# Altium PCB BC2087.PcbDoc (part 1 of 6)
Units mil, origin at the board's own origin, x right, y up, seen from the top; angles counter-clockwise.
Board outline 7401.57 x 1181.1 mil, 6 copper layers (Top Copper, Signal Layer 1, Signal Layer 2, Signal Layer 3, Signal Layer 4, Bottom Copper), stack 62.874 mil thick; 302 components, 237 nets, 1184 pads, 867 vias.
Unrouted connection lines stored in the file: 315.
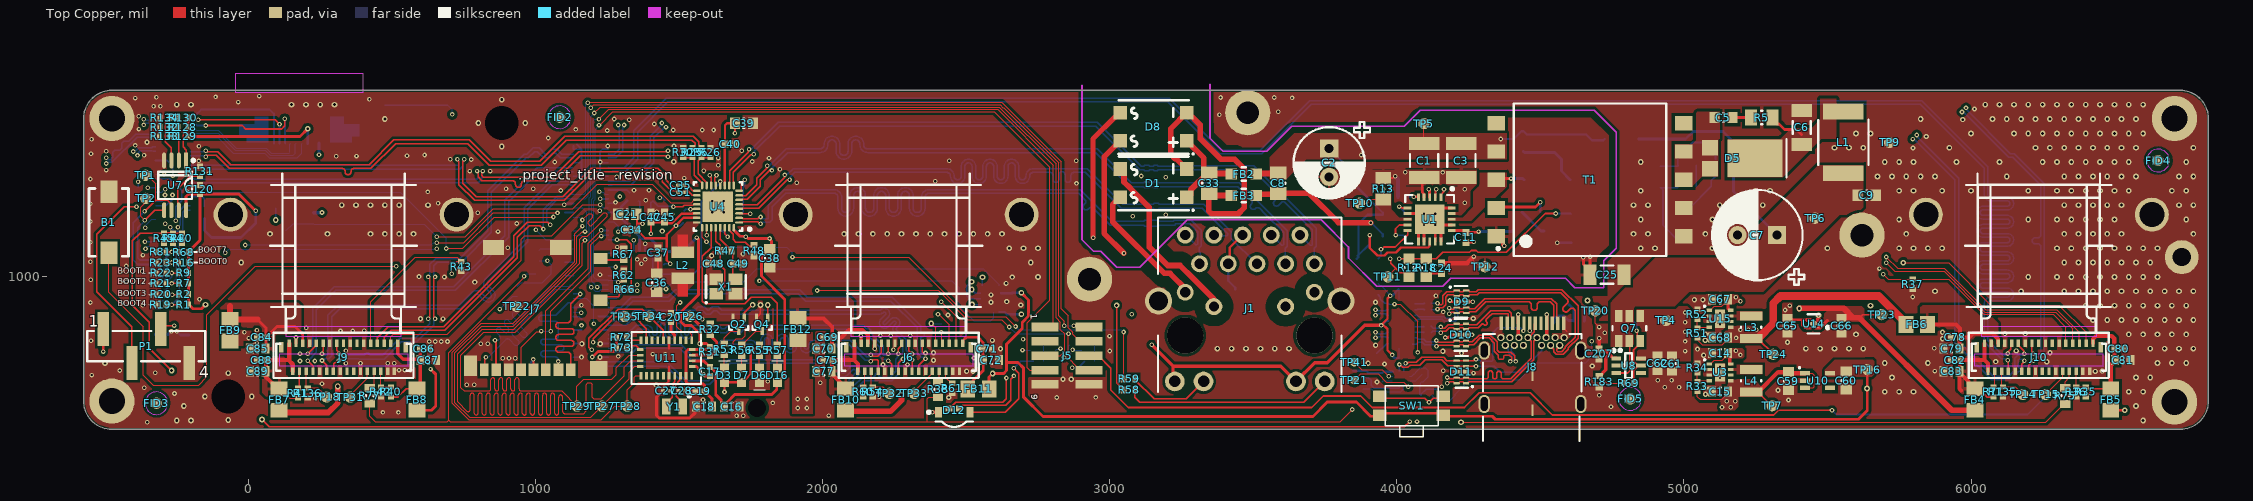
[diagram p0: Top Copper view]
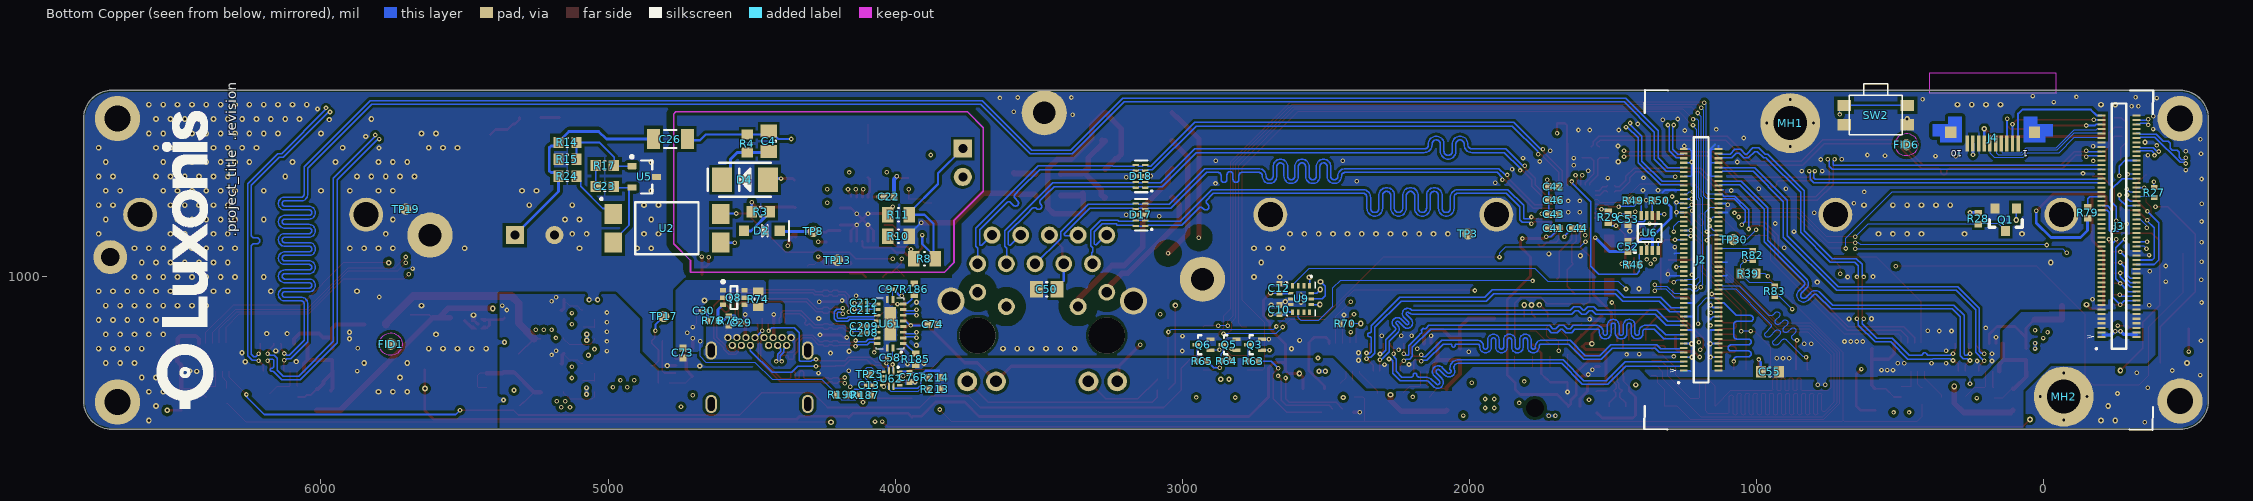
[diagram p1: Bottom Copper view, seen from below]
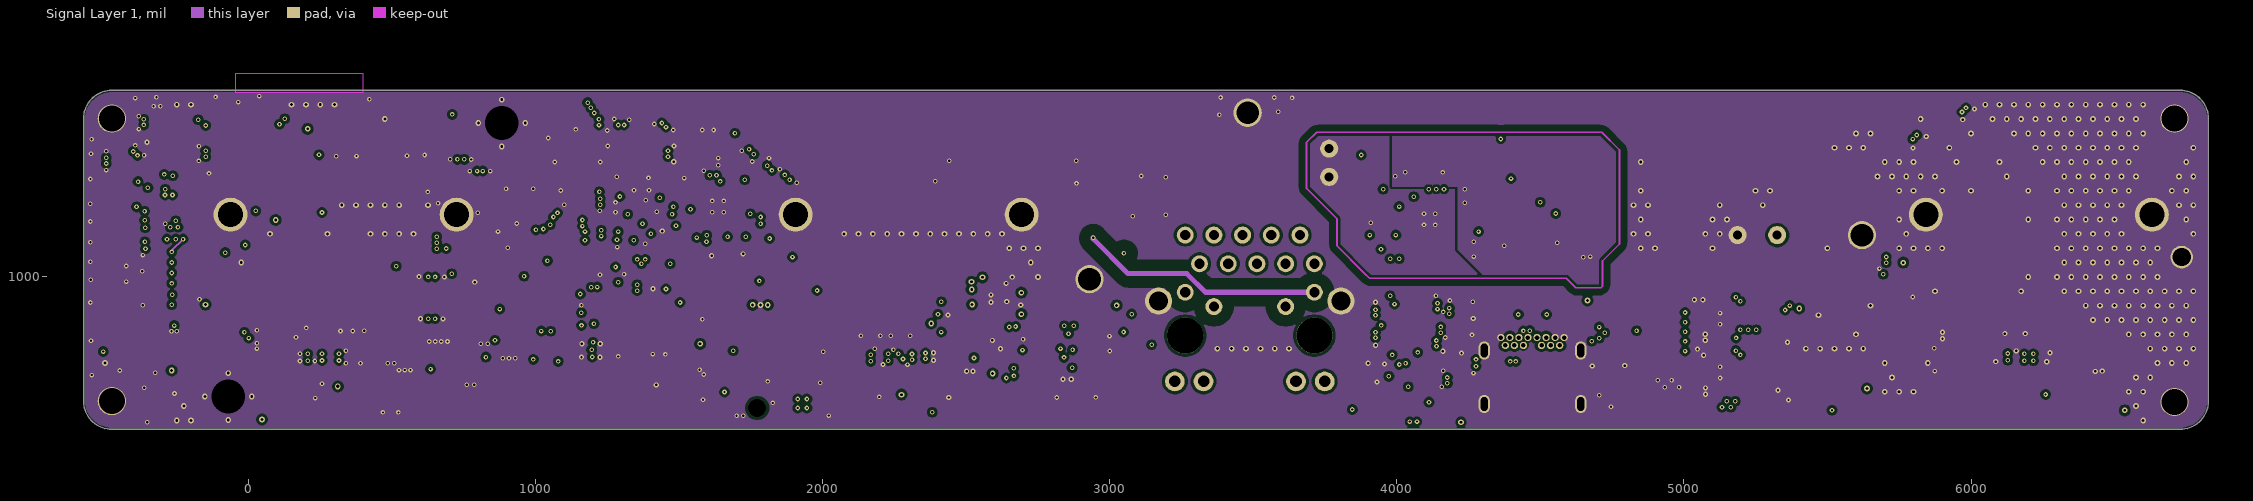
[diagram p2: Signal Layer 1]
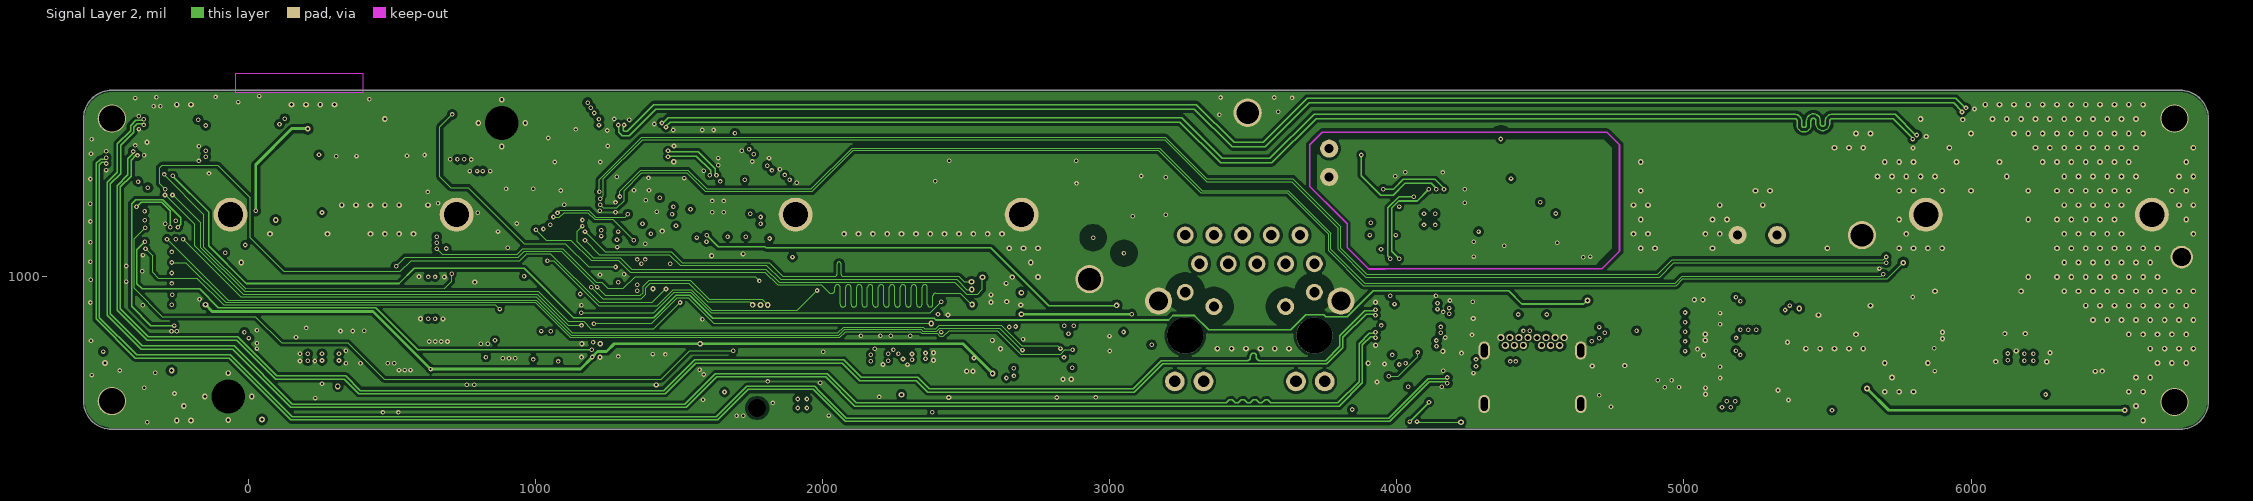
[diagram p3: Signal Layer 2]
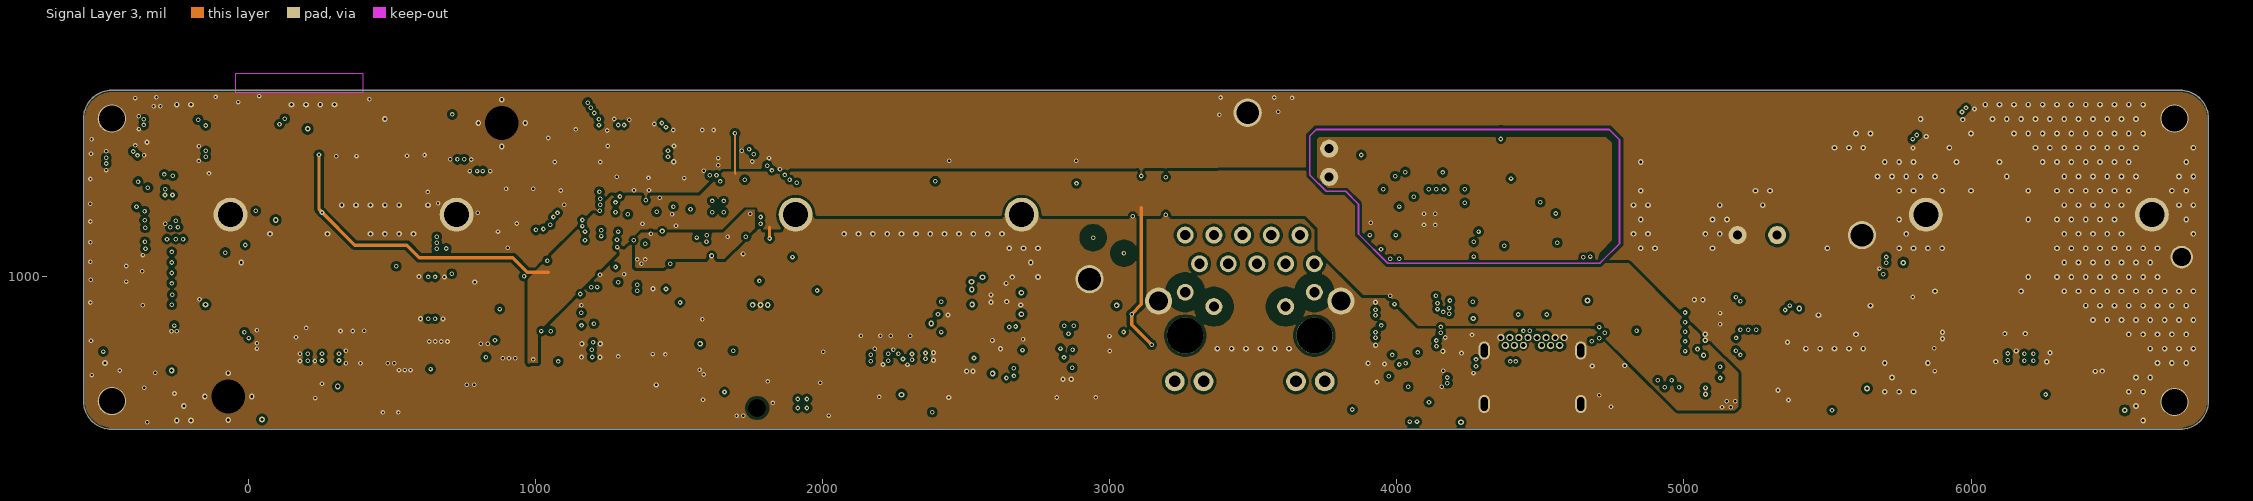
[diagram p4: Signal Layer 3]
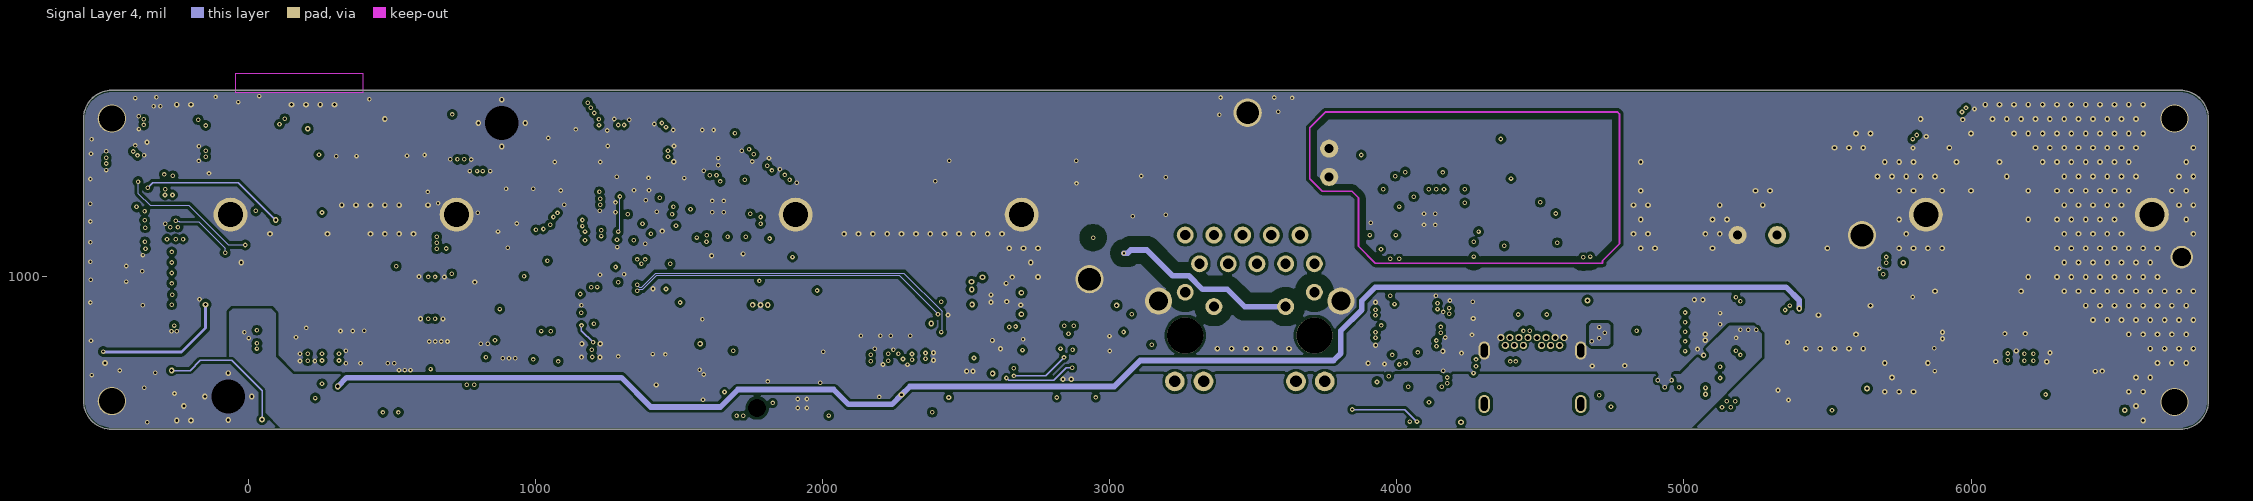
[diagram p5: Signal Layer 4]

## Layer stack, top to bottom
Top Mask: solder mask 0.5906, Solder Resist, Dk 3.8
Top Copper: signal copper 1.378
Dielectric 1: prepreg 3.937, 2313, Dk 4.05
Signal Layer 1: signal copper 0.689
Core 1: core 22.2441, FR-4, Dk 4.5
Signal Layer 2: signal copper 0.689
Dielectric 2: prepreg 5, 2116, Dk 4.25
Signal Layer 3: signal copper 0.689
Core 2: core 22.2441, FR-4, Dk 4.5
Signal Layer 4: signal copper 0.689
Dielectric 3: prepreg 3.937, 2313, Dk 4.05
Bottom Copper: signal copper 1.378
Bottom Mask: solder mask 0.5906, Solder Resist, Dk 3.8

## Board outline
-574.66,567.36 -574.66,1551.61 cw(c-476.23,1551.61) -476.23,1650.03 6728.49,1650.03 cw(c6728.49,1551.61) 6826.92,1551.61 6826.92,567.36 cw(c6728.49,567.36) 6728.49,468.93 -476.23,468.93 cw(c-476.23,567.36)

## Design rules (kind name [scope] priority, off if disabled: settings)
AssemblyTestPointUsage [All] p1: valid=2
BoardOutlineClearance [All] p1: gap=6 ignorepadtopadclearanceinfootprint=FALSE
Clearance PoE_GND [InNetClass('PoE') vs InNet('GND')] p1: gap=39.37 ignorepadtopadclearanceinfootprint=TRUE
Clearance PoE [InNetClass('PoE')] p2: gap=10 ignorepadtopadclearanceinfootprint=TRUE except(4: Track-SMDPad; 8: Arc-Track Track-Track)
Clearance general [All] p3: gap=4 ignorepadtopadclearanceinfootprint=FALSE except(10: Arc-Poly Track-Poly SMDPad-Poly THPad-Poly Via-Poly Fill-Poly Poly-Poly Poly-Region Poly-Text Poly-Hole)
ComponentClearance [All] p1: gap=0 collisioncheckmode=3 verticalgap=0 showdistances=FALSE
DiffPairsRouting 85ohm [InDifferentialPairClass('85ohm')] p1: maxlimit=10 minlimit=5 mostfreqgap=10 toplayer_mingap=5.12 toplayer_maxgap=5.12 toplayer_prefgap=5.12 toplayer_minwidth=5.12 toplayer_maxwidth=5.12 toplayer_prefwidth=5.12 midlayer2_mingap=5.89 midlayer2_maxgap=5.89 midlayer2_prefgap=5.89 midlayer2_minwidth=5.17 midlayer2_maxwidth=5.17 midlayer2_prefwidth=5.17 midlayer4_mingap=5.51 midlayer4_maxgap=5.51 midlayer4_prefgap=5.51 midlayer4_minwidth=4.33 midlayer4_maxwidth=4.33 midlayer4_prefwidth=4.33 bottomlayer_mingap=5.12 bottomlayer_maxgap=5.12 bottomlayer_prefgap=5.12 bottomlayer_minwidth=5.12 bottomlayer_maxwidth=5.12 bottomlayer_prefwidth=5.12 impedanceprofiledriven=TRUE impedanceprofileid={86B41CE9-344F-4982-9283-744235B62342} impedanceprofilevalue=90.000000 maxuncoupledlength=500
DiffPairsRouting 90ohm [InDifferentialPairClass('USB3')] p2: maxlimit=10 minlimit=5 mostfreqgap=10 toplayer_mingap=5.12 toplayer_maxgap=5.12 toplayer_prefgap=5.12 toplayer_minwidth=5.12 toplayer_maxwidth=5.12 toplayer_prefwidth=5.12 midlayer2_mingap=5.89 midlayer2_maxgap=5.89 midlayer2_prefgap=5.89 midlayer2_minwidth=5.17 midlayer2_maxwidth=5.17 midlayer2_prefwidth=5.17 midlayer4_mingap=5.51 midlayer4_maxgap=5.51 midlayer4_prefgap=5.51 midlayer4_minwidth=4.33 midlayer4_maxwidth=4.33 midlayer4_prefwidth=4.33 bottomlayer_mingap=5.12 bottomlayer_maxgap=5.12 bottomlayer_prefgap=5.12 bottomlayer_minwidth=5.12 bottomlayer_maxwidth=5.12 bottomlayer_prefwidth=5.12 impedanceprofiledriven=TRUE impedanceprofileid={86B41CE9-344F-4982-9283-744235B62342} impedanceprofilevalue=90.000000 maxuncoupledlength=500
DiffPairsRouting 100ohm [InDifferentialPairClass('100ohm')] p3: maxlimit=10.52 minlimit=5 mostfreqgap=10 toplayer_mingap=7.67 toplayer_maxgap=7.67 toplayer_prefgap=7.67 toplayer_minwidth=5.12 toplayer_maxwidth=5.12 toplayer_prefwidth=5.12 midlayer2_mingap=10.52 midlayer2_prefgap=10.52 midlayer2_minwidth=5.12 midlayer2_maxwidth=5.12 midlayer2_prefwidth=5.12 bottomlayer_mingap=7.67 bottomlayer_maxgap=7.67 bottomlayer_prefgap=7.67 bottomlayer_minwidth=5.12 bottomlayer_maxwidth=5.12 bottomlayer_prefwidth=5.12 impedanceprofiledriven=TRUE impedanceprofileid={980D49B1-4842-4C85-BE42-F6056FE0C244} impedanceprofilevalue=100.000000 maxuncoupledlength=500
FabricationTestPointUsage [All] p1: valid=2 allowmultiple=FALSE
HoleSize [All] p1: absolutevalues=TRUE maxlimit=150 minlimit=7.95 maxpercent=80.000 minpercent=20.000
HoleToHoleClearance [All] p1: gap=5 allowstackedmicrovias=FALSE
MatchedLengths ETH_GROUP [InNetClass('ETH')] p1: tolerance=1000 checknetsindiffpair=FALSE checkdiffpairvsdiffpair=TRUE checkxsignals=TRUE checkothers=TRUE usedelayunits=TRUE delaytolerance=50.000000
MatchedLengths DIFF_PAIR_100 [InDifferentialPairClass('100ohm')] p2: tolerance=1000 checknetsindiffpair=TRUE checkdiffpairvsdiffpair=FALSE checkxsignals=FALSE checkothers=FALSE usedelayunits=TRUE delaytolerance=1.000000
MatchedLengths USB [InxSignalClass('USB')] p3: tolerance=50 checknetsindiffpair=TRUE checkdiffpairvsdiffpair=FALSE checkxsignals=FALSE checkothers=FALSE usedelayunits=TRUE delaytolerance=1.000000
MatchedLengths PCIe_XSIG [InxSignalClass('XSIG_PCIe')] p4: tolerance=3.94 checknetsindiffpair=TRUE checkdiffpairvsdiffpair=FALSE checkxsignals=FALSE checkothers=FALSE usedelayunits=TRUE delaytolerance=0.500000
MatchedLengths SPI [InNetClass('QSPI')] p5: tolerance=1000 checknetsindiffpair=FALSE checkdiffpairvsdiffpair=TRUE checkxsignals=TRUE checkothers=TRUE usedelayunits=TRUE delaytolerance=10.000000
MatchedLengths SDIO [InNetClass('SDIO')] p6: tolerance=1000 checknetsindiffpair=FALSE checkdiffpairvsdiffpair=TRUE checkxsignals=TRUE checkothers=TRUE usedelayunits=TRUE delaytolerance=10.000000
MatchedLengths MIPI_A [InNetClass('MIPI_CAM_A')] p7: tolerance=1000 checknetsindiffpair=FALSE checkdiffpairvsdiffpair=TRUE checkxsignals=TRUE checkothers=TRUE usedelayunits=TRUE delaytolerance=1.000000
MatchedLengths MIPI_B [InNetClass('MIPI_CAM_B')] p8: tolerance=1000 checknetsindiffpair=FALSE checkdiffpairvsdiffpair=TRUE checkxsignals=TRUE checkothers=TRUE usedelayunits=TRUE delaytolerance=1.000000
MatchedLengths MIPI_C [InNetClass('MIPI_CAM_C')] p9: tolerance=1000 checknetsindiffpair=FALSE checkdiffpairvsdiffpair=TRUE checkxsignals=TRUE checkothers=TRUE usedelayunits=TRUE delaytolerance=1.000000
MinimumSolderMaskSliver USB3_Connector [HasFootprint('105450-0101')  OR HasFootprint('CX80B1-24P') OR HasFootprint('TPD4E02B04DQAR')  OR HasFootprint('RTL8111HX-CG')  or HasFootprint('632723100011')] p1: minsoldermaskwidth=0.1
MinimumSolderMaskSliver RTL8111 [HasFootprint('CX80B1-24P')] p2: minsoldermaskwidth=0.1
MinimumSolderMaskSliver [All] p3: minsoldermaskwidth=2
PlaneConnect [All] p1: pad.planeconnectstyle=Relief pad.reliefexpansion=20 pad.reliefentries=4 pad.reliefconductorwidth=10 pad.reliefairgap=10 via.planeconnectstyle=Direct via.reliefexpansion=20 via.reliefentries=4 via.reliefconductorwidth=10 via.reliefairgap=10
PolygonConnect DirectConnect [InPolygonClass('DirectConnectPoly')] p1: connectstyle=Direct reliefconductorwidth=10 reliefentries=4 polygonreliefangle="90 Angle" airgapwidth=10
PolygonConnect OuterLayerGND_PolyClass [InPolygonClass('OuterLayerGND')] p2: thpad.connectstyle=Relief thpad.reliefconductorwidth=10 thpad.reliefentries=4 thpad.polygonreliefangle="90 Angle" thpad.airgapwidth=10 smdpad.connectstyle=Relief smdpad.reliefconductorwidth=10 smdpad.reliefentries=4 smdpad.polygonreliefangle="90 Angle" smdpad.airgapwidth=10 via.connectstyle=Direct via.reliefconductorwidth=10 via.reliefentries=4 via.polygonreliefangle="90 Angle" via.airgapwidth=10
PolygonConnect PoE_Poly [InPolygonClass('PoE_Poly')] p3: thpad.connectstyle=Direct thpad.reliefconductorwidth=10 thpad.reliefentries=4 thpad.polygonreliefangle="90 Angle" thpad.airgapwidth=10 smdpad.connectstyle=Relief smdpad.reliefconductorwidth=10 smdpad.reliefentries=4 smdpad.polygonreliefangle="90 Angle" smdpad.airgapwidth=10 via.connectstyle=Direct via.reliefconductorwidth=10 via.reliefentries=4 via.polygonreliefangle="90 Angle" via.airgapwidth=10
PolygonConnect Default [All] p4: thpad.connectstyle=Relief thpad.reliefconductorwidth=10 thpad.reliefentries=4 thpad.polygonreliefangle="90 Angle" thpad.airgapwidth=10 smdpad.connectstyle=Relief smdpad.reliefconductorwidth=10 smdpad.reliefentries=4 smdpad.polygonreliefangle="90 Angle" smdpad.airgapwidth=10 via.connectstyle=Direct via.reliefconductorwidth=10 via.reliefentries=4 via.polygonreliefangle="90 Angle" via.airgapwidth=10
RoutingVias [All] p1: holewidth=10 width=20 viastyle="Through Hole" minholewidth=8 minwidth=16 maxholewidth=1000 maxwidth=1000 viatemplateguid#1={7D568E1B-5E6B-4AC2-AD27-6C01C0E9FBBD} viatemplatename#1=v41h20m0mx0
SilkToSilkClearance [All] p1: silktosilkclearance=1
SilkToSolderMaskClearance SilkscreenOverComponentException [InComponent('U15')] p1: minsilkscreentomaskgap=3 clearancetoexposedcopper=TRUE
SilkToSolderMaskClearance SilkscreenOverComponentPads [IsPad] p2: minsilkscreentomaskgap=3 clearancetoexposedcopper=TRUE
SolderMaskExpansion [All] p1: expansion=2 istentingtop=FALSE
UnRoutedNet [All] p1: checkbadconnections=TRUE
Width "Schematic Width Constraint_1" [InNetClass('PoE')] p1: maxlimit=50 minlimit=4 preferedwidth=15
Width [All] p2: maxlimit=100 minlimit=4 preferedwidth=5
19 further rules are at their usual default settings.

## Classes and differential pairs
component class U_DM2077_RIGHT_AR0234: C84 C85 C86 C87 C88 C89 FB7 FB8 FB9 J9 R40 R41 R42 R43 R136 TP18 TP31
component class U_DM2077_LEFT_AR0234: C78 C79 C80 C81 C82 C83 FB4 FB5 FB6 J10 R35 R36 R37 R38 R39 R71 R75 R77 R135 TP14 TP15
component class U_BO2077_POWER_GEN: C14 C15 C59 C60 C61 C62 C65 C66 C67 C68 L3 L4 Q7 R33 R34 R51 R52 R69 TP4 TP7 TP16 TP17 TP20 TP23 TP24 U3 U8 U10 U14 U15
component class U_BC2088_RJ45: C50 D1 D8 D16 D17 D18 J1 R57 R58 R59
component class U_BC2077_USB: C13 C29 C30 C58 C73 C74 C76 C97 C207 C208 C209 C211 C212 D9 D10 D11 J8 Q8 R74 R76 R78 R183 R185 R186 R187 R190 R213 R214 TP21 TP25 TP41 U61 U62
component class U_BC2077_IMU: C10 C12 C16 C17 C18 C19 C20 C27 C28 R31 R32 R72 R73 TP26 TP34 TP35 U9 U11 Y1
component class U_BC2077_ETH_PCIE_PHY: C21 C34 C35 C36 C37 C38 C39 C40 C41 C42 C43 C44 C45 C46 C47 C48 C49 C51 C52 C53 L2 Q1 R6 R25 R26 R28 R29 R30 R46 R47 R48 R49 R50 U4 U6 X1
component class U_BC2077_EEPROM: C120 R128 R129 R130 R131 R132 R133 R134 U7
component class U_BC2077_BOOT_JTAG_AUX: C55 D3 D6 D7 D12 J4 J5 J7 P1 Q2 Q3 Q4 Q5 Q6 R53 R55 R56 R63 R64 R65 R66 R67 TP1 TP2
component class U_BC2077__MID_AR0234: C69 C70 C71 C72 C75 C77 FB10 FB11 FB12 J6 R54 R60 R61 R70 TP32 TP33
component class U_BC20__PoE_Si3404: C1 C2 C3 C4 C5 C6 C7 C8 C9 C11 C22 C23 C24 C25 C26 C33 D2 D4 D5 FB2 FB3 L1 R3 R4 R5 R8 R10 R11 R12 R13 R14 R15 R17 R18 R24 T1 TP5 TP6 TP8 TP9 TP10 TP11 TP12 TP13 U1 U2 U5
net class PCIe: BRIDGE_REFCLK_N BRIDGE_REFCLK_P CLK_N CLK_P SDS_RXD1_N SDS_RXD1_P SDS_RXD_N SDS_RXD_P SDS_TXD_N SDS_TXD_P
polygon class PoE_Poly: VNEG_IN_L01_P432 VNEG_L01_P434 VNEG_L04_P456 VPOS_IN_L01_P431
polygon class DirectConnectPoly: 1V2_L01_P021_DC 1V2_L01_P061_DC 1V2_L01_P062_DC 1V2_L05_P042 1V8_L01_P023_DC 2V8_L01_P023_DC 3V3_L3_DC 3V3_TL_DC 5V_POE_L01_P041_DC GND_L01_P071 GND_L02_P037 GND_L03_P036 GND_L04_P060 GND_L05_P051 GND_L06_P069 ISNS_L01_P005_DC NetC6_2_TL_DC NETL3_1_L01_P025_DC NETL4_1_L01_P025_DC PCIE_1V0_L01_P020_DC PCIE_1V0_L01_P058_DC PCIE_1V0_L04_P057_DC REGOUT_TL_DC SWO_L01_P004_DC VBUS_L01_P043_DC VBUS_L05_P042_DC VBUS_L06_P033 VBUSIN_L06_P032 VDD_5V_L01_P044_DC VDD_5V_L01_P046_DC VDD_5V_L01_P047_DC VDD_5V_L01_P048_DC VDD_5V_L06_P050_DC VNEG_L02_P031 VNEG_L06_P068 VPOS_L01_P002_DC VSEC_L01_P007_DC VSS_L01_P003_DC VSS_L02_P030
net class Power_trace: 1V2_CAM_M 1V2_L 1V2_R 1V8_CAM_M 1V8_L 1V8_R 2V8_CAM_M 2V8_L 2V8_R 5V_PoE VBUS VBUSIN VDD_5V
net class PoE: CT1 CT2 SP1 SP2 SWO VNEG VNEG_IN VPOS VPOS_IN VSS
component class TopLevel: FID1 FID2 FID3 FID4 FID5 FID6 MH1 MH2 TP3 TP19 TP22
differential pair class USB3: RXB RXC TXB TXB1 TXC TXC1 USB_D USB_RX USB_TX
net class USB: USB_D_N USB_D_P USB_RX_N USB_RX_P USB_TX_N USB_TX_P
net class SDIO: sd_hst0_clk sd_hst0_cmd sd_hst0_dat_0 sd_hst0_dat_1 sd_hst0_dat_2 sd_hst0_dat_3
net class QSPI: SPI_BMI270_CS_1V8 SPI_BNO08x_CS_1V8 SPI_MISO_1V8 SPI_MOSI_1V8 SPI_SCK_1V8 SPI_SIO2 SPI_SIO3
net class MIPI_CAM_C: MIPI_RX3_C_N MIPI_RX3_C_P MIPI_RX3_D0_N MIPI_RX3_D0_P MIPI_RX3_D1_N MIPI_RX3_D1_P
net class MIPI_CAM_B: MIPI_RX2_C_N MIPI_RX2_C_P MIPI_RX2_D0_N MIPI_RX2_D0_P MIPI_RX2_D1_N MIPI_RX2_D1_P
net class MIPI_CAM_A: MIPI_RX4_C_N MIPI_RX4_C_P MIPI_RX4_D0_N MIPI_RX4_D0_P MIPI_RX4_D1_N MIPI_RX4_D1_P MIPI_RX5_D0_N MIPI_RX5_D0_P MIPI_RX5_D1_N MIPI_RX5_D1_P
differential pair class 100ohm: BRIDGE_REFCLK BRIDGE_REFCLK1 CLK MD1 MD1_1 MD2 MD2_1 MD3 MD3_1 MD4 MD4_1 MIPI_RX2_C MIPI_RX2_D0 MIPI_RX2_D1 MIPI_RX3_C MIPI_RX3_D0 MIPI_RX3_D1 MIPI_RX4_C MIPI_RX4_D0 MIPI_RX4_D1 MIPI_RX5_D0 MIPI_RX5_D1 SDS_IO_CLKI SDS_IO_CLKI1 SDS_RXD SDS_RXD1 SDS_TXD
component class U_CONNECTOR_B: J3 q R1 R2 R7 R9 R16 R19 R20 R21 R22 R23 R27 R44 R45 R68 R79 R80 R81 R83 SW1
component class U_CONNECTOR_A: B1 J2 R62 R82 SW2 TP27 TP28 TP29 TP30
net class ETH: MD1_N MD1_P MD2_N MD2_P MD3_N MD3_P MD4_N MD4_P
differential pair CLK: +CLK_P -CLK_N
differential pair SDS_RXD1: +SDS_RXD1_P -SDS_RXD1_N
differential pair USB_TX: +USB_TX_P -USB_TX_N
differential pair TXC: +TXC_P -TXC_N
differential pair TXC1: +TXC1_P -TXC1_N
differential pair TXB: +TXB_P -TXB_N
differential pair TXB1: +TXB1_P -TXB1_N
differential pair RXC: +RXC_P -RXC_N
differential pair RXB: +RXB_P -RXB_N
differential pair BRIDGE_REFCLK: +BRIDGE_REFCLK_P -BRIDGE_REFCLK_N
differential pair USB_RX: +USB_RX_P -USB_RX_N
differential pair USB_D: +USB_D_P -USB_D_N
differential pair SDS_TXD: +SDS_TXD_P -SDS_TXD_N
differential pair SDS_RXD: +SDS_RXD_P -SDS_RXD_N
differential pair MIPI_RX5_D1: +MIPI_RX5_D1_P -MIPI_RX5_D1_N
differential pair MIPI_RX5_D0: +MIPI_RX5_D0_P -MIPI_RX5_D0_N
differential pair MIPI_RX4_D1: +MIPI_RX4_D1_P -MIPI_RX4_D1_N
differential pair MIPI_RX4_D0: +MIPI_RX4_D0_P -MIPI_RX4_D0_N
differential pair MIPI_RX4_C: +MIPI_RX4_C_P -MIPI_RX4_C_N
differential pair MIPI_RX3_D1: +MIPI_RX3_D1_P -MIPI_RX3_D1_N
differential pair MIPI_RX3_D0: +MIPI_RX3_D0_P -MIPI_RX3_D0_N
differential pair MIPI_RX3_C: +MIPI_RX3_C_P -MIPI_RX3_C_N
differential pair MIPI_RX2_D1: +MIPI_RX2_D1_P -MIPI_RX2_D1_N
differential pair MIPI_RX2_D0: +MIPI_RX2_D0_P -MIPI_RX2_D0_N
differential pair MIPI_RX2_C: +MIPI_RX2_C_P -MIPI_RX2_C_N
differential pair MD4: +MD4_P -MD4_N
differential pair MD3: +MD3_P -MD3_N
differential pair MD2: +MD2_P -MD2_N
differential pair MD1: +MD1_P -MD1_N

## Components (designator, comment, footprint, x,y, rotation, side; value= is the part's Value field where it differs from the comment)
B1 "Off-Mom, 50mA" DTSM-32N-V -487,1190.3 r270 top
C1 "1uF 1210" CAPC1210(3225)280_N 4094.62,1405.51 r90 top
C2 "12uF 6.3mm" EEU-FC2A120 3764.34,1397.64 r270 top
C3 "1uF 1210" CAPC1210(3225)280_N 4224.54,1405.51 r90 top
C4 "0.1UF 0805" CAPC0805(2012)145_N 4440.52,1472.44 r90 bottom
C5 "1nF 0603 C0G" CAPC0603(1608)100_N 5137.8,1555.12 r180 top
C6 "100uF 1206" CAPC1206(3216)190_N 5410.63,1520.67 r270 top
C7 "1000uF 8mm" ECA-0JM102 5255.91,1145.67 r180 top
C8 "0.1UF 0805" CAPC0805(2012)145_N 3586.61,1326.77 r90 top
C9 "22NF 0603" CAPC0603(1608)100_N 5636.5,1285 r180 top
C10 "0.1uF 0402" CAPC0402(1005)70_L 2661.42,885.83 r270 bottom
C11 "1uF 0402" CAPC0402(1005)70_N 4240.29,1137.8 r90 top
C12 "0.1uF 0402" CAPC0402(1005)70_L 2661.42,960.63 r270 bottom
C13 "1uF 0201" CAPC0201(0603)33_L 4090.55,622.49 r180 bottom
C14 "10uF 0603" CAPC0603(1608)100_L 5125.98,734.55 r0 top
C15 "22uF 0603" CAPC0603(1608)100_L 5125.98,600.69 r0 top
C16 "GRM188R61A106ME69D" CAPC0603(1608)100_L 1683,548.35 r180 top value=10µF
C17 "GRM155R71A104JA01D" CAPC0402(1005)70_L 1607,670 r90 top value=100nF
C18 "GRM188R61A106ME69D" CAPC0603(1608)100_L 1586.76,548.35 r0 top value=10µF
C19 "GRM155R71A104JA01D" CAPC0402(1005)70_L 1573,601 r0 top value=100nF
C20 "GRM155R71A104JA01D" CAPC0402(1005)70_L 1471,859 r90 top value=100nF
C21 "4.7uF 0603" CAPC0603(1608)100_N 1319.2,1218.63 r0 top
C22 "0.1uF 0402" CAPC0402(1005)60_N 4021.78,1279.53 r0 bottom
C23 "2.2nF 0603" CAPC0603(1608)100_N 5011.65,1314.96 r0 bottom
C24 "10nF 0402" CAPC0402(1005)60_N 4156.26,1030.19 r270 top
C25 "1nF 1206" CAPC1206(3216)190_N 4732.28,1007.87 r0 top
C26 "1nF 1206" CAPC1206(3216)190_N 4783.04,1480.31 r0 bottom
C27 "GRM0335C1E180FA01D" CAPC0201(0603)33_L 1454.55,603.1 r0 top value=18pF
C28 "GRM0335C1E180FA01D" CAPC0201(0603)33_L 1508.72,603.1 r180 top value=18pF
C29 "1uF 0201" CAPC0201(0603)33_L 4535.43,840 r180 bottom
C30 "0.1uF 0201" CAPC0201(0603)33_L 4666.14,881.89 r0 bottom
C33 "0.1UF 0805" CAPC0805(2012)145_N 3346.46,1326.77 r90 top
C34 "0.1uF 0402" CAPC0402(1005)70_N 1334.94,1163.86 r0 top
C35 "0.1uF 0201" CAPC0201(0603)33_L 1506.16,1318.86 r0 top
C36 "4.7uF 0603" CAPC0603(1608)100_N 1422.03,979.87 r90 top
C37 "0.1uF 0402" CAPC0402(1005)70_N 1426.4,1083.66 r270 top
C38 "4.7uF 0603" CAPC0603(1608)100_N 1814.96,1064.74 r90 top
C39 "4.7uF 0603" CAPC0603(1608)100_N 1725.53,1535 r180 top
C40 "0.1uF 0402" CAPC0402(1005)70_N 1677.29,1462.25 r180 top
C41 "0.1uF 0402" CAPC0402(1005)70_N 1705.92,1169.33 r180 bottom
C42 "0.1uF 0402" CAPC0402(1005)70_N 1705.92,1314.27 r0 bottom
C43 "0.1uF 0402" CAPC0402(1005)70_N 1705.8,1218.1 r0 bottom
C44 "0.1uF 0402" CAPC0402(1005)70_N 1623.24,1169.33 r0 bottom
C45 "0.1uF 0402" CAPC0402(1005)70_N 1449.12,1208.38 r270 top
C46 "1uF 0402" CAPC0402(1005)70_N 1705.8,1267.39 r0 bottom
C47 "1uF 0402" CAPC0402(1005)70_N 1401.1,1208.45 r270 top
C48 "27pF 0402" CAPC0402(1005)60_N 1620.47,1045.98 r0 top
C49 "27pF 0402" CAPC0402(1005)60_N 1704.92,1045.76 r180 top
C50 "0.1UF 0805" CAPC0805(2012)145_N 3472.44,956.69 r180 bottom
C51 "0.1uF 0201" CAPC0201(0603)33_L 1506.16,1295.24 r0 top
C52 "0.1uF 0402" CAPC0402(1005)70_N 1446.73,1105.9 r270 bottom